# Altium PCB REV_2025.PcbDoc (continued)
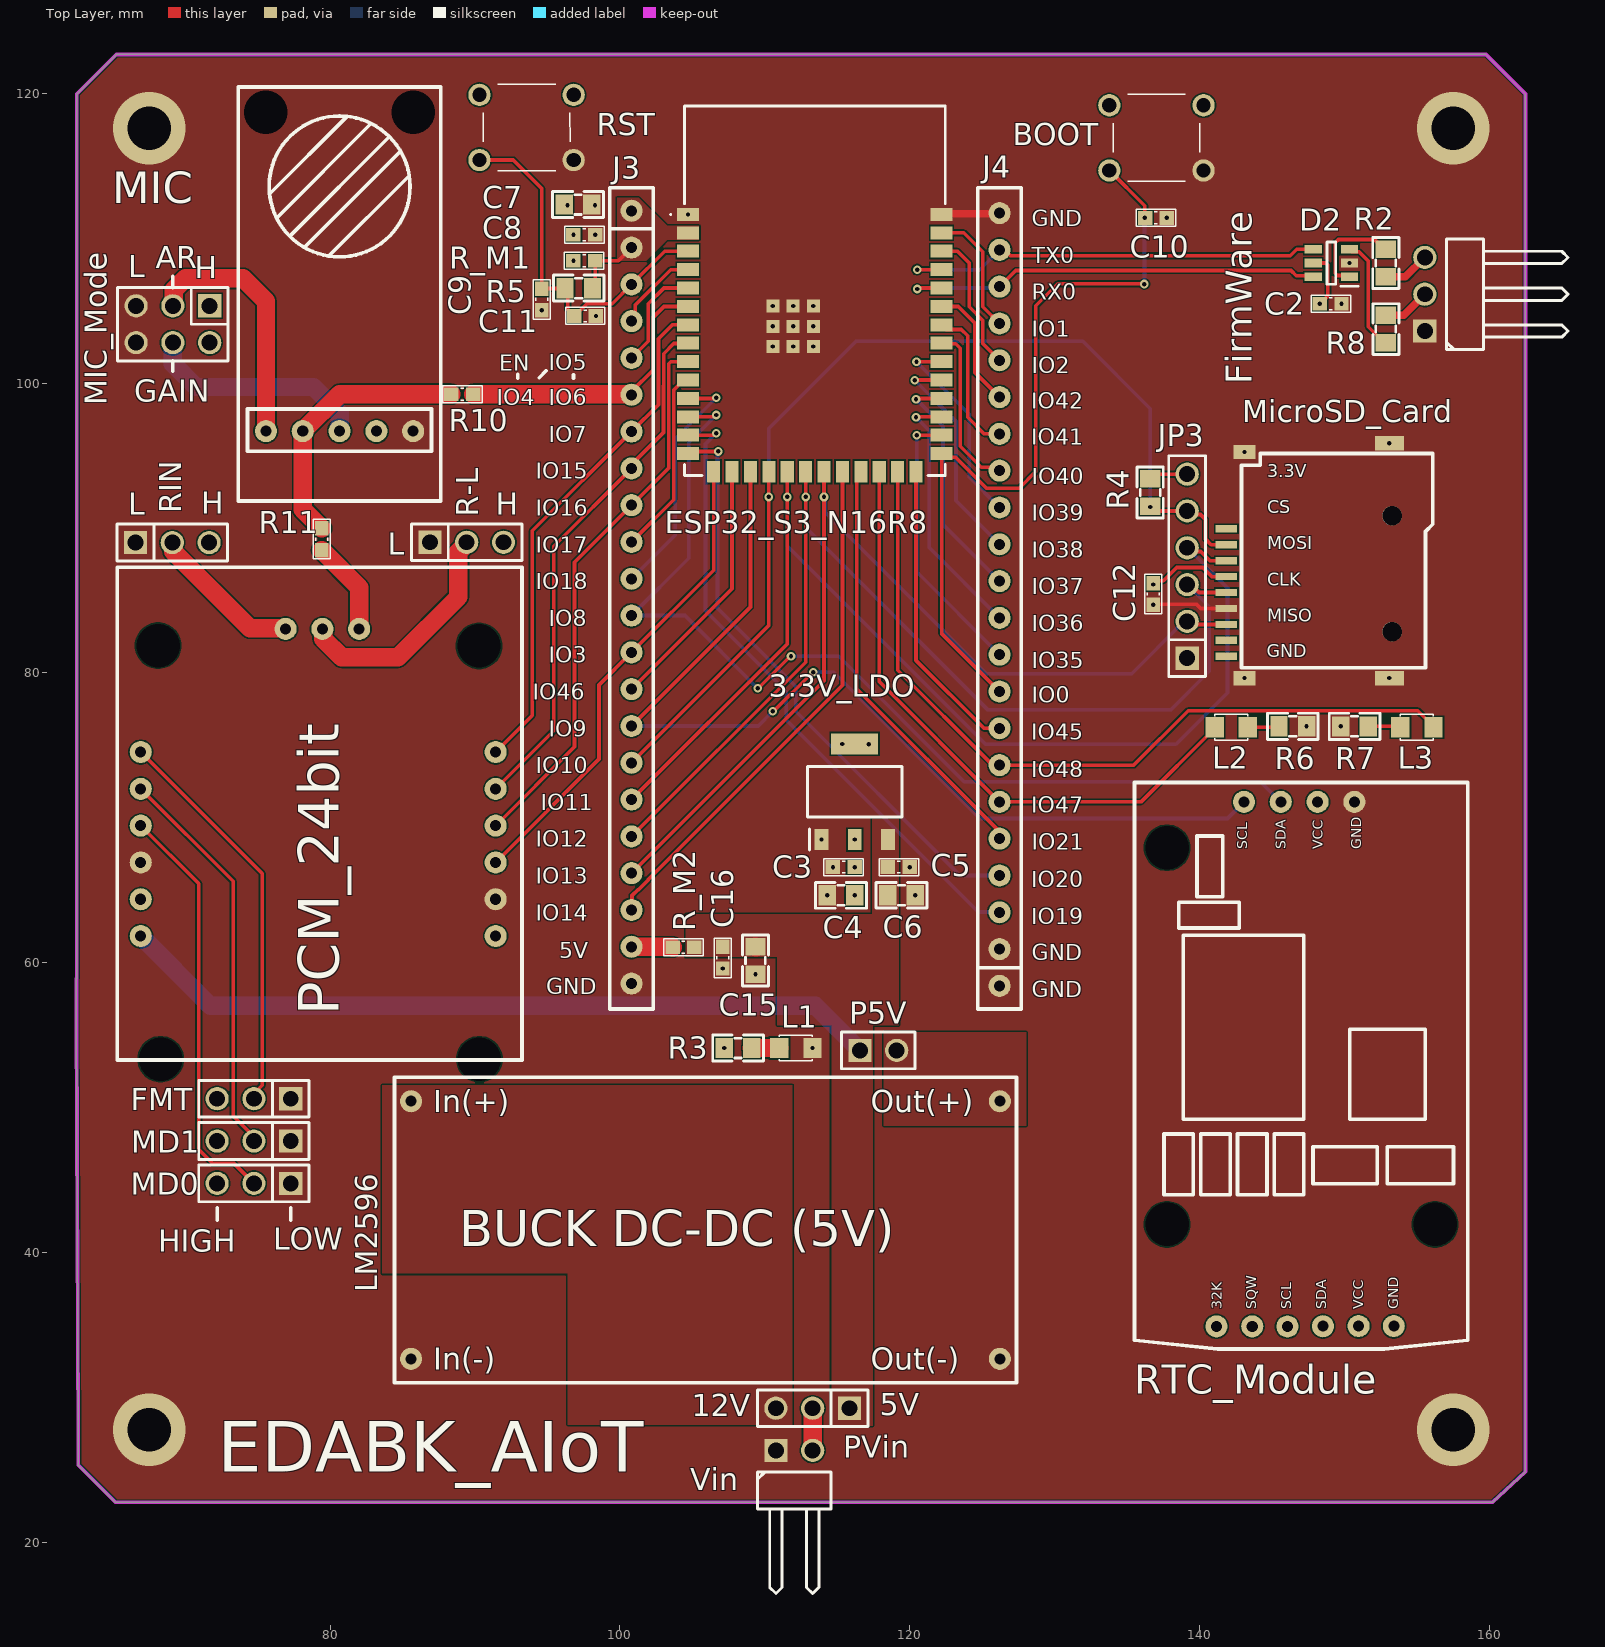
[diagram p0: Top Layer view]
## Components (designator, comment, footprint, x,y, rotation, side; value= is the part's Value field where it differs from the comment)
3.3V_LDO "AMS1117-3.3" SOT229P700X180-4N 116.2,71.8 r90 top
BOOT "1825910-6" 18259106 140.28,114.68 r180 top
C2 "104" "tu 0603" 149.05,105.49 r0 top
C3 "104" "tu 0603" 115.45,66.6 r180 top
C4 "101" "tu 0805" 115.25,64.65 r180 top
C5 "104" "tu 0603" 119.24,66.6 r0 top
C6 "101" "tu 0805" 119.436,64.657 r0 top
C7 "101" "tu 0805" 97.106,112.333 r0 top
C8 "10uF, 25V" "tu 0603" 97.54,110.25 r0 top
C9 "0.1uF, 50V" "tu 0603" 94.6,105.78 r270 top
C10 "0.1uF, 50V" "tu 0603" 136.99,111.41 r0 top
C11 "1uF, 16V" "tu 0603" 97.59,104.64 r0 top
C12 "10uF, 25V" "tu 0603" 136.8,85.45 r270 top
C15 "101" "tu 0805" 109.353,60.154 r270 top
C16 "10uF, 25V" "tu 0603" 107.1,60.35 r270 top
D2 "USBLC6-2SC6Y" SOT95P280X145-6N 149.1,108.29 r180 top
ESP32_S3_N16R8 "ESP32-S3-WROOM-1-N16" ESP32S3WROOM1N16 113.449,106.388 r0 top locked
FirmWare "FirmWare" "JP 1x3 DC" 158.09,109.95 r90 top
FMT "J7" "JP 1x3 DT" 77.276,50.611 r180 top
J3 "J3" PCBComponent_1#1 100.8,111.9 r0 top locked
J4 "J4" PCBComponent_1#1 126.2,58.4 r180 top locked
JP3 "JP 1x6 2.54" "JP 1x6 DT" 139.15,81.02 r90 top
L1 "LED 0805" LED-0805-Red 111,54.111 r0 top
L2 "LED 0805" LED-0805-Red 141.05,76.252 r0 top
L3 "LED 0805" LED-0805-Red 156.15,76.252 r180 top
LM2596 "Component_1" PCBComponent_1#2 105.9,41.55 r0 top
MD0 "J8" "JP 1x3 DT" 77.276,44.769 r180 top
MD1 "J9" "JP 1x3 DT" 77.276,47.69 r180 top
MIC "Component_1" PCBComponent_1#3 78.74,110.787 r0 top
MIC_Mode "J6" "JP 2x3 DT" 69.14,104.07 r180 top
MicroSD_Card "Micro SD card" MicroSD 141.6,87.75 r90 top
P5V "P5V" "JP 1x2 DT" 116.56,53.95 r0 top
PCM_24bit "Component_1" PCBComponent_1#4 66.92,74.54 r0 top
PVin "PVin" "JP 1x3 DT" 115.84,29.25 r180 top
R2 "1k" "tro smd 0805" 152.922,108.294 r270 top
R3 "1k" "tro smd 0805" 108.15,54.05 r180 top
R4 "10K" "tro smd 0805" 136.661,92.454 r270 top
R5 "10K" "tro smd 0805" 97.16,106.5 r180 top
R6 "1k" "tro smd 0805" 146.435,76.377 r0 top
R7 "1k" "tro smd 0805" 150.706,76.25 r180 top
R8 "1k" "tro smd 0805" 152.8,103.736 r90 top
R10 "0R" "tro smd 0603" 89.11,99.24 r0 top
R11 "0R" "tro smd 0603" 79.41,89.23 r90 top
R-L "J10" "JP 1x3 DT" 86.88,89.02 r0 top
R_M1 "0R" "tro smd 0603" 97.54,108.45 r180 top
R_M2 "0R" "tro smd 0603" 104.38,61.07 r0 top
RIN "J10" "JP 1x3 DT" 66.56,89 r0 top
RST "1825910-6" 18259106 96.8,115.4 r180 top
RTC_Module "Component_1" PCBComponent_1#5 145.61,43.16 r90 top
Vin "Vin" "JP 1x2 DC" 110.76,26.34 r0 top

## Footprints (in the part's own frame and the unit in brackets; to place one, negate y for a bottom-side part, rotate by r counter-clockwise, add the part's x,y. Pads: shape width x height; smd on the part's side, far side on the other; paste and mask are expansions set on the pad)
18259106 [mm]
  round 1.54 hole 0.99: 1(0,0) 2(6.5,0) 3(0,-4.5) 4(6.5,-4.5)
  silkscreen extent 0.25,-5.25 6.25,0.75, body extent -0.65,-5.25 7.15,0.74, height 5.64
ESP32S3WROOM1N16 [mm]
  rect 1.5x0.9 smd: 1(-8.75,5.26) 2(-8.75,3.99) 3(-8.75,2.72) 4(-8.75,1.45) 5(-8.75,0.18) 6(-8.75,-1.09) 7(-8.75,-2.36) 8(-8.75,-3.63) 9(-8.75,-4.9) 10(-8.75,-6.17) 11(-8.75,-7.44) 12(-8.75,-8.71) 13(-8.75,-9.98) 14(-8.75,-11.25) 27(8.75,-11.25) 28(8.75,-9.98) 29(8.75,-8.71) 30(8.75,-7.44) 31(8.75,-6.17) 32(8.75,-4.9) 33(8.75,-3.63) 34(8.75,-2.36) 35(8.75,-1.09) 36(8.75,0.18) 37(8.75,1.45) 38(8.75,2.72) 39(8.75,3.99) 40(8.75,5.26)
  rect 0.9x1.5 smd: 15(-6.985,-12.5) 16(-5.715,-12.5) 17(-4.445,-12.5) 18(-3.175,-12.5) 19(-1.905,-12.5) 20(-0.635,-12.5) 21(0.635,-12.5) 22(1.905,-12.5) 23(3.175,-12.5) 24(4.445,-12.5) 25(5.715,-12.5) 26(6.985,-12.5)
  rect 0.9x0.9 smd: 41(-1.5,-2.46) 42(-1.5,-1.06) 43(-2.9,-1.06) 44(-2.9,-2.46) 45(-2.9,-3.86) 46(-1.5,-3.86) 47(-0.1,-3.86) 48(-0.1,-2.46) 49(-0.1,-1.06)
  silkscreen extent -10,-12.75 9,12.75, body extent -9,-12.76 9,12.74, height 3.25
"JP 1x2 DC" [mm] "JP 1x2 DC"
  rect 1.6x1.6 hole 1.1: 1(0,0)
  round 1.6 hole 1.1: 2(2.54,0)
  silkscreen extent -1.27,-9.88 3.81,-1.5, body extent -1.27,-10.06 3.81,0.3, height 2.55
"JP 1x2 DT" [mm] "2 pins, 1 row, straight, gold plating"
  rect 1.6x1.6 hole 1.1: 1(0,0)
  round 1.6 hole 1.1: 2(2.54,0)
  silkscreen extent -1.27,-1.27 3.81,1.27, body extent -1.27,-1.27 3.81,1.27, height 8.54
"JP 1x3 DC" [mm]
  rect 1.6x1.6 hole 1.1: 1(-6.35,2.54)
  round 1.6 hole 1.1: 2(-3.81,2.54) 3(-1.27,2.54)
  silkscreen extent -7.62,-7.34 0,1.04, body extent -7.62,-7.52 0,2.84, height 2.55
"JP 1x3 DT" [mm]
  rect 1.6x1.6 hole 1.1: 1(0,0)
  round 1.6 hole 1.1: 2(2.54,0) 3(5.08,0)
  silkscreen extent -1.27,-1.27 6.35,1.27, body extent -1.27,-1.27 6.35,1.27, height 8.54
"JP 1x6 DT" [mm] "6 pins, 1 row, straight, gold plating"
  rect 1.6x1.6 hole 1.1: 1(0,0)
  round 1.6 hole 1.1: 2(2.54,0) 3(5.08,0) 4(7.62,0) 5(10.16,0) 6(12.7,0)
  silkscreen extent -1.27,-1.27 13.97,1.27, body extent -1.27,-1.27 13.97,1.27, height 8.54
"JP 2x3 DT" [mm]
  rect 1.6x1.6 hole 1.1: 1(-2.54,-1.27)
  round 1.6 hole 1.1: 2(0,-1.27) 3(2.54,-1.27) 4(2.54,1.27) 5(0,1.27) 6(-2.54,1.27)
  silkscreen extent -3.81,-2.54 3.81,2.54, body extent -3.81,-2.54 3.81,2.54, height 8.55
LED-0805-Red [mil]
  rect 50x55 smd: 1(0,0) 2(90,0)
  silkscreen extent 0,-35 90,35, body extent 5,-25 85,25, height 43
MicroSD [mm]
  rect 1x2 smd: 0(-8.1,-11.5) 0(8.1,-11.5)
  rect 1x1.5 smd: 0(-8.1,-1.5) 0(7.5,-1.5)
  round 1.35 hole 1.35: 0(-4.9,-11.7) 0(3.1,-11.7)
  rect 0.5x1.5 smd: 1(1.1,-0.254) 2(0,-0.254) 3(-6.6,-0.254) 4(-1.1,-0.254) 5(-2.2,-0.254) 6(-3.3,-0.254) 7(-4.4,-0.254) 8(-5.5,-0.254) 9(2.2,-0.254)
  silkscreen extent -7.4,-14.5 7.4,-1.3, body extent -6.95,-19.6 7.15,0.5, height 1.91
PCBComponent_1#1 [mil]
  round 60 hole 30 paste-99999: 1(0,0) 2(0,-100) 3(0,-200) 4(0,-300) 5(0,-400) 6(0,-500) 7(0,-600) 8(0,-700) 9(0,-800) 10(0,-900) 11(0,-1000) 12(0,-1100) 13(0,-1200) 14(0,-1300) 15(0,-1400) 16(0,-1500) 17(0,-1600) 18(0,-1700) 19(0,-1800) 20(0,-1900) 21(0,-2000) 22(0,-2100)
  silkscreen extent -59,-2169 59,63
PCBComponent_1#2 [mil]
  round 60 hole 30 paste-99999: Vin+(-800,350) Vin-(-800,-350) Vout+(800,350) Vout-(800,-350)
  silkscreen extent -845,-415 845,415, body extent -846,-413 846,413, height 669
PCBComponent_1#3 [mil]
  round 60 hole 30 paste-99999: AR(-125,-555) GAIN(75,-555) GND(275,-555) OUT(-25,-555) VDD(175,-555)
  silkscreen extent -200,-745 350,380, body extent -199,-745 349,380, height 305
PCBComponent_1#4 [mil]
  round 60 hole 30 paste-99999: 3.3V(0,-400) 3.3V(964.57,-500) 5V(0,-500) -(493.7,334.65) BCK(964.57,0) FMT(0,0) GND(0,-300) GND(964.57,-400) LIN(593.7,334.65) LRC(964.57,-200) MD0(0,-200) MD1(0,-100) OUT(964.57,-100) RIN(393.7,334.65) SCK(964.57,-300)
  silkscreen extent -64,-837 1036,502
PCBComponent_1#5 [mil]
  round 60 hole 30 paste-99999: 32K(-325.2,174.8) GND_1(-324.41,-307.09) GND_2(1100,-200) SCL_1(-325.59,-18.11) SCL_2(1100,100) SDA_1(-324.8,-114.57) SDA_2(1100,0) SQW(-325.2,77.56) VCC_1(-324.41,-211.42) VCC_2(1100,-100)
  body extent -655,-484 1159,376, height 192
SOT95P280X145-6N [mm]
  rect 1.2x0.6 smd: 1(-1.25,0.95) 2(-1.25,0) 3(-1.25,-0.95) 4(1.25,-0.95) 5(1.25,0) 6(1.25,0.95)
  silkscreen extent -1.85,-1.46 0.3,1.6, body extent -1.4,-1.46 1.4,1.46, height 1.45
SOT229P700X180-4N [mm]
  rect 1.45x0.95 smd: 1(-3.3,2.29) 2(-3.3,0) 3(-3.3,-2.29)
  rect 1.45x3.25 smd: 4(3.3,0)
  silkscreen extent -4.03,-3.25 1.75,3.25, body extent -3.35,-3.15 3.35,3.15, height 1.8
"tro smd 0603" [mm] "Chip Capacitor, 2-Leads, Body 1,60x0,80mm, IPC Medium Density"
  rect 1x0.95 smd mask+0.076: 1(-0.75,0) 2(0.75,0)
  silkscreen extent -1.35,-0.58 1.37,0.58, body extent -0.82,-0.42 0.82,0.43, height 0.44
"tro smd 0805" [mm]
  rect 1.2x1.4 smd: 1(-0.946,-0.061) 2(0.954,-0.061)
  silkscreen extent -1.75,-0.97 1.75,0.84, body extent -1.56,-0.76 1.44,0.64, height 0.53
"tu 0603" [mm] "Chip Capacitor, 2-Leads, Body 1,60x0,80mm, IPC Medium Density"
  rect 1x0.95 smd mask+0.076: 1(-0.75,0) 2(0.75,0)
  silkscreen extent -1.35,-0.58 1.37,0.58, body extent -0.8,-0.4 0.8,0.4, height 0.9
"tu 0805" [mm] "Compoment SMD 80x50mil"
  rect 1.2x1.4 smd: 1(-0.946,-0.003) 2(0.954,-0.003)
  silkscreen extent -1.75,-0.89 1.75,0.89, body extent -1.01,-0.64 1.01,0.63, height 0.61

## Part data
3.3V_LDO: "Integrated Circuit", Manufacturer_Name=Advanced, Datasheet Link=https://datasheet.datasheetarchive.com/originals/distributors/Datasheets-28/DSA-550594.pdf, Height=1.8mm, Manufacturer_Part_Number=AMS1117-3.3
BOOT RST: "Switch", Manufacturer_Name="TE Connectivity", Mouser Part Number=650-1825910-6, Arrow Part Number=1825910-6, Arrow Price/Stock=https://www.arrow.com/en/products/1825910-6/te-connectivity?utm_currency=USD&region=europe, Datasheet Link=https://www.te.com/commerce/DocumentDelivery/DDEController?Action=srchrtrv&DocNm=1308111-1_SWITCHES_CORE_PROGRAM_CATALOG&DocType=Catalog%20Section&DocLang=English&PartCntxt=1825910-6&DocFormat=pdf, Height=5.3mm, Manufacturer_Part_Number=1825910-6, Mouser Price/Stock=https://www.mouser.co.uk/ProductDetail/TE-Connectivity/1825910-6?qs=A6cQTCBcXncisYDS1KbpGA%3D%3D
C2 C3 C5 C8 C11 C12 C16: library part "Tu 0603 104 50V 10%", "Dán", Chung_Loai=Dán, Don_Vi=Con, Ma_Hang=MH004568, So_Chan=2, Ten_Linh_Kien="Tụ 0603 104-100nF 10% 50V"
C4 C6 C7 C15: library part "Tu 0805 101 50V 20%", "Dán", Chung_Loai=Dán, Don_Vi=Con, Ma_Hang=MH002806, So_Chan=2, Ten_Linh_Kien="Tụ 0805 101-0.1nF 50V 20%"
C9 C10: library part "Tu 0603 103 50V 10%", "Dán", Chung_Loai=Dán, Don_Vi=Con, Ma_Hang=MH004567, So_Chan=2, Ten_Linh_Kien="Tụ 0603 103-10nF 10% 50V"
D2: "Diode", Manufacturer_Name=STMicroelectronics, Mouser Part Number=511-USBLC6-2SC6Y, Arrow Part Number=USBLC6-2SC6Y, Arrow Price/Stock=https://www.arrow.com/en/products/usblc6-2sc6y/stmicroelectronics?utm_currency=USD&region=nac, Datasheet Link=https://componentsearchengine.com/Datasheets/1/USBLC6-2SC6Y.pdf, Height=1.45mm, Manufacturer_Part_Number=USBLC6-2SC6Y, Mouser Price/Stock=https://www.mouser.co.uk/ProductDetail/STMicroelectronics/USBLC6-2SC6Y?qs=gNDSiZmRJS%2FOgDexvXkdow%3D%3D
ESP32_S3_N16R8: "Integrated Circuit", Manufacturer_Name="Espressif Systems", Mouser Part Number=356-ESP32S3WROOM1N16, Datasheet Link=https://www.espressif.com/sites/default/files/documentation/esp32-s3-wroom-1_wroom-1u_datasheet_en.pdf, Height=3.25mm, Manufacturer_Part_Number=ESP32-S3-WROOM-1-N16, Mouser Price/Stock=https://www.mouser.co.uk/ProductDetail/Espressif-Systems/ESP32-S3-WROOM-1-N16?qs=Li%252BoUPsLEntjPrtJwwS5Pw%3D%3D
FirmWare: library part "JP 1x3 2.54 Duc Cong", "Cắm", Chung_Loai=Cắm, Don_Vi=Con, Ma_Hang=MH000904, Ten_Linh_Kien="Jump Đơn Đực 2.54MM 1x40P Cong Đứng"
FMT MD0 MD1 PVin R-L RIN: library part "JP 1x3 2.54 Duc Thang", "Cắm", Chung_Loai=Cắm, Don_Vi=Con, Ma_Hang=MH000903, Ten_Linh_Kien="Jump Đơn Đực 2.54MM 1x40P Thẳng 11MM"
J3 J4: library part Component_1
JP3: library part "JP 1x6 2.54 Duc Thang", "Cắm", Chung_Loai=Cắm, Don_Vi=Con, Ma_Hang=MH000903, Ten_Linh_Kien="Jump Đơn Đực 2.54MM 1x40P Thẳng 11MM"
L1 L2 L3: library part "LED 0805 Do", "Dán", Chung_Loai=Dán, Don_Vi=Con, Ma_Hang=MH000897, Ten_Linh_Kien="LED 0805 Màu Đỏ (Red)"
MIC_Mode: library part "JP 2x3 2.54 Duc Thang", "Cắm", Chung_Loai=Cắm, Don_Vi=Con, Ma_Hang=MH002686, Ten_Linh_Kien="Jump Đôi Đực 2.54MM 2x40P Thẳng 11MM"
P5V: library part "JP 1x2 2.54 Duc Thang", "Cắm", Chung_Loai=Cắm, Don_Vi=Con, Ma_Hang=MH000903, Ten_Linh_Kien="Jump Đơn Đực 2.54MM 1x40P Thẳng 11MM"
R2 R3 R4 R5 R6 R7 R8: library part "Tro 0805 1% 1k", "Dán", Chung_Loai=Dán, Don_Vi=Con, Ma_Hang=MH005468, So_Chan=2, Ten_Linh_Kien="Trở 0805 1% 1k"
R10 R11 R_M1 R_M2: library part "Tro 0603 1% 0R", "Dán", Chung_Loai=Dán, Don_Vi=Con, Ma_Hang=MH005792, So_Chan=2, Ten_Linh_Kien="Trở 0603 1% 0R"
Vin: library part "JP 1x2 2.54 Duc Cong", "Cắm", Chung_Loai=Cắm, Don_Vi=Con, Ma_Hang=MH000904, Ten_Linh_Kien="Jump Đơn Đực 2.54MM 1x40P Cong Đứng"

## Free pads (board coordinates)
  round 1.524 hole 3 paste-2539.97: 2(137.762,41.934) 3(156.262,41.934) 4(137.762,67.934) 5(68.12,81.89) 5(68.3,53.34) 5(75.565,118.69) 5(85.725,118.69) 5(90.27,81.87) 5(90.3,53.34)

## Via types
v1: diameter 0.6, hole 0.3, Top Layer to Bottom Layer, 65 vias
v2: diameter 5/5 (per signal layer), hole 3, Top Layer to Bottom Layer, 4 vias

## Nets (pads, with @x,y where several pads share a name; then routed paths per layer and width w, separated by ;. In a path a pad name is that pad's centre, name@x,y a point inside that pad or via, vN(x,y) a via of type N, cw(c..) or ccw(c..) an arc to the next point about the centre after c; other vN are vias at no path point)
AR: MIC.AR MIC_Mode.2 | length 17.4
  Top Layer w1.27: MIC_Mode.2 69.203,105.403 69.203,106.43 70.013,107.24 73.98,107.24 75.565,105.655 MIC.AR
BCLK_2: ESP32_S3_N16R8.7 J3.7 PCM_24bit.BCK | length 35.6
  Top Layer w0.254: PCM_24bit.BCK 93.95,77.07 93.95,89.81 J3.7@100.798,96.658 ; J3.7 102.655,98.515 102.655,100.774 102.66,100.779 102.66,103.06 103.628,104.028 ESP32_S3_N16R8.7
EN: C9.1 C11.1 ESP32_S3_N16R8.3 J3.3 R5.2 RST.2 | length 25.7
  Top Layer w0.254: RST.2 92.64,115.4 94.6,113.44 C9.1 96.352,106.53 96.39,106.568 96.39,105.065 96.815,104.64 C11.1 96.865,104.64 97.715,105.49 99.47,105.49 J3.3 103.088,109.108 ESP32_S3_N16R8.3
ESP_3V3: ESP32_S3_N16R8.2 J3.1 J3.2 R5.1 R_M1.1 | length 4.9
  Top Layer w0.254: R5.1 98.29,106.745 R_M1.1 99.89,108.45 J3.2
FMT: FMT.2 PCM_24bit.FMT | length 27.6
  Top Layer w0.254: PCM_24bit.FMT 75.31,66.15 75.31,51.549 74.736,50.975 FMT.2
GAIN: MIC.GAIN MIC_Mode.5 | length 15.6
  Bottom Layer w1.27: MIC_Mode.5 69.14,101.34 70.742,99.738 78.842,99.738 80.645,97.935 MIC.GAIN
GND: 3.3V_LDO.1 BOOT.1 C2.2 C3.2 C4.2 C5.2 C6.2 C7.2 C8.2 C9.2 C10.2 C11.2 C12.2 C15.2 C16.2 D2.2 ESP32_S3_N16R8.1 ESP32_S3_N16R8.40 ESP32_S3_N16R8.41 ESP32_S3_N16R8.42 ESP32_S3_N16R8.43 ESP32_S3_N16R8.44 ESP32_S3_N16R8.45 ESP32_S3_N16R8.46 ESP32_S3_N16R8.47 ESP32_S3_N16R8.48 ESP32_S3_N16R8.49 FirmWare.1 FMT.1 J3.22 J4.1 J4.2 J4.22 JP3.1 L1.2 LM2596.Vin- LM2596.Vout- MD0.1 MD1.1 MIC.GND MIC_Mode.3 MIC_Mode.4 MicroSD_Card.0 MicroSD_Card.6 pad.5@75.565,118.69 pad.5@85.725,118.69 PCM_24bit.GND R6.2 R7.2 R-L.1 RIN.1 RST.1 RTC_Module.GND_2 Vin.1 | length 9.2
  Top Layer w0.254: v1(136.8,84.7) 136.841,84.741 139.8,84.741 140.091,84.45 MicroSD_Card.6
  Top Layer w0.508: ESP32_S3_N16R8.40 122.245,111.694 126.154,111.694 J4.22
  other v1: 113.286,54.111 109.35,59.2 107.1,59.6 114.296,64.653 120.39,64.653 114.7,66.6 119.99,66.6 113.91,68.5 147.389,76.316 149.752,76.316 143.1,79.65 153.1,79.65 143.1,95.25 153.1,95.85 110.549,102.528 111.949,102.528 113.349,102.528 110.549,103.928 111.949,103.928 113.349,103.928 98.34,104.64 94.6,105.03 110.549,105.328 111.949,105.328 113.349,105.328 149.8,105.49 150.35,108.29 98.29,110.25 137.74,111.41 104.699,111.648 98.28,112.29
  other v2: 67.5,27.75 157.5,27.75 67.5,117.6 157.5,117.6
IO0: BOOT.2 C10.1 ESP32_S3_N16R8.27 J4.9 | length 54.5
  Top Layer w0.254: J4.9 122.199,82.721 ESP32_S3_N16R8.27 122.458,94.879 123.171,94.879 125.3,92.75 127.55,92.75 128.7,93.9 128.7,105.34 130.22,106.86 136.17,106.86 v1(136.19,106.84) ; BOOT.2 136.215,112.245 v1(136.215,111.41)
  Bottom Layer w0.254: v1(136.19,106.84) 136.202,106.852 136.202,111.398 v1(136.215,111.41)
IO1: ESP32_S3_N16R8.39 J4.19 | length 8.8
  Top Layer w0.254: ESP32_S3_N16R8.39 123.722,110.378 125.036,109.063 125.036,105.284 J4.19
IO2: ESP32_S3_N16R8.38 J4.18 | length 9.8
  Top Layer w0.254: ESP32_S3_N16R8.38 123.292,109.108 124.1,108.3 124.1,105.268 125.036,104.332 125.036,102.744 J4.18
IO3: ESP32_S3_N16R8.15 J3.13 PCM_24bit.SCK | length 33.2
  Top Layer w0.254: PCM_24bit.SCK 98.555,74.055 98.555,79.175 J3.13 106.464,87.084 ESP32_S3_N16R8.15
IO4: ESP32_S3_N16R8.4 J3.4 | length 5.9
  Top Layer w0.254: J3.4 101.043,104.523 101.043,105.375 103.506,107.838 ESP32_S3_N16R8.4
IO5: ESP32_S3_N16R8.5 J3.5 | length 7.4
  Top Layer w0.254: J3.5 101.95,102.89 101.95,105.482 103.036,106.568 ESP32_S3_N16R8.5
IO6: ESP32_S3_N16R8.6 J3.6 R10.2 | length 19.6
  Top Layer w0.254: J3.6 100.8,99.42 102.306,100.926 102.306,104.568 103.036,105.298 ESP32_S3_N16R8.6
  Top Layer w1.27: R10.2 100.76,99.24 J3.6
IO8: ESP32_S3_N16R8.12 J3.12 RTC_Module.SDA_2 | length 70.2
  Top Layer w0.254: ESP32_S3_N16R8.12 106.525,97.678 v1(106.65,97.803) ; v1(109.5,78.95) 109.55,78.95 111.75,81.15 v1(111.8,81.15)
  Bottom Layer w0.254: v1(106.65,97.803) 104.75,95.903 104.75,87.91 J3.12 104.49,83.96 v1(109.5,78.95) ; v1(111.8,81.15) 115.1,81.15 123.753,72.497 144.213,72.497 RTC_Module.SDA_2
IO9: ESP32_S3_N16R8.17 J3.15 RTC_Module.SCL_2 | length 69.4
  Top Layer w0.254: J3.15 109.004,84.544 ESP32_S3_N16R8.17 ; v1(110.55,77.35) 110.6,77.35 113.3,80.05 v1(113.35,80.05)
  Bottom Layer w0.254: J3.15 109.54,76.34 v1(110.55,77.35) ; v1(113.35,80.05) 114.75,80.05 124.843,69.957 141.927,69.957 RTC_Module.SCL_2
IO10: ESP32_S3_N16R8.18 J3.16 JP3.5 MicroSD_Card.1 R4.2 | length 73.4
  Top Layer w0.254: J3.16 110.274,83.274 v1(110.274,92.15) ESP32_S3_N16R8.18 ; R4.2 136.92,91.18 JP3.5 139.396,90.934 140.066,90.934 140.41,90.59 140.41,89.24 140.8,88.85 MicroSD_Card.1
  Bottom Layer w0.254: v1(110.274,92.15) 110.274,96.874 116.29,102.89 131.95,102.89 136.6,98.24 v1(136.6,91.45)
IO11: ESP32_S3_N16R8.19 J3.17 JP3.4 MicroSD_Card.2 | length 82.2
  Top Layer w0.254: J3.17 111.544,82.004 v1(111.544,92.15) ESP32_S3_N16R8.19 ; JP3.4 139.408,88.382 140.091,88.382 140.723,87.75 MicroSD_Card.2
  Bottom Layer w0.254: v1(111.544,92.15) 111.544,88.756 125.23,75.07 138.37,75.07 141.93,78.63 141.93,85.86 JP3.4
IO12: ESP32_S3_N16R8.20 J3.18 JP3.3 MicroSD_Card.5 | length 76
  Top Layer w0.254: J3.18 112.814,80.734 v1(112.814,92.15) ESP32_S3_N16R8.20 ; JP3.3 139.422,86.1 139.972,85.55 MicroSD_Card.5
  Bottom Layer w0.254: v1(112.814,92.15) 112.814,90.036 125.4,77.45 138.01,77.45 140.68,80.12 140.68,84.57 JP3.3
IO13: ESP32_S3_N16R8.21 J3.19 JP3.2 MicroSD_Card.7 | length 68.2
  Top Layer w0.254: J3.19 114.084,79.464 v1(114.084,92.15) ESP32_S3_N16R8.21 ; JP3.2 139.36,83.35 MicroSD_Card.7
  Bottom Layer w0.254: v1(114.084,92.15) 114.15,92.084 114.15,91.1 125.3,79.95 135.32,79.95 138.93,83.56 JP3.2
IO14: ESP32_S3_N16R8.22 J3.20 | length 36.3
  Top Layer w0.254: J3.20 100.834,63.674 100.834,64.634 101.237,65.037 101.273,65.037 101.943,65.707 101.943,65.743 115.354,79.154 ESP32_S3_N16R8.22
IO15: ESP32_S3_N16R8.8 J3.8 PCM_24bit.OUT | length 36.8
  Top Layer w0.254: PCM_24bit.OUT 95.43,76.01 95.43,88.75 J3.8@100.798,94.118 ; J3.8 100.8,94.38 103.009,96.589 103.009,99.829 103.014,99.834 103.014,102.036 103.717,102.739 104.68,102.739 ESP32_S3_N16R8.8
IO16: ESP32_S3_N16R8.9 J3.9 PCM_24bit.LRC | length 38.2
  Top Layer w0.254: PCM_24bit.LRC 96.86,74.9 96.86,87.64 J3.9 103.363,94.143 103.363,99.682 103.368,99.688 103.368,101.339 103.517,101.488 ESP32_S3_N16R8.9
IO17: ESP32_S3_N16R8.10 J3.10 | length 13
  Top Layer w0.254: J3.10 103.717,91.957 103.717,99.536 104.399,100.218 ESP32_S3_N16R8.10
IO18: ESP32_S3_N16R8.11 J3.11 | length 16.9
  Top Layer w0.254: ESP32_S3_N16R8.11 106.598,98.948 v1(106.65,99)
  Bottom Layer w0.254: J3.11 103.813,89.513 103.813,96.163 v1(106.65,99)
Io19: ESP32_S3_N16R8.13 J4.3 | length 44.6
  Top Layer w0.254: ESP32_S3_N16R8.13 106.508,96.408 v1(106.65,96.55)
  Bottom Layer w0.254: v1(106.65,96.55) 105.9,95.8 105.9,84.3 111.48,78.72 111.48,76.75 124.736,63.494 126.186,63.494 J4.3
IO20: ESP32_S3_N16R8.14 J4.4 | length 41.1
  Top Layer w0.254: ESP32_S3_N16R8.14 104.851,95.29 v1(106.78,95.29)
  Bottom Layer w0.254: v1(106.78,95.29) 106.731,95.241 106.731,84.469 112.14,79.06 112.14,77.351 123.471,66.02 J4.4
IO21: ESP32_S3_N16R8.23 J4.5 | length 29.5
  Top Layer w0.254: ESP32_S3_N16R8.23 116.35,93.614 116.35,78.9 125.957,69.293 125.957,68.803 J4.5
IO35: ESP32_S3_N16R8.28 J4.10 | length 19.2
  Top Layer w0.254: v1(120.482,96.4) 120.49,96.408 ESP32_S3_N16R8.28
  Bottom Layer w0.254: v1(120.482,96.4) 120.482,86.978 J4.10
IO36: ESP32_S3_N16R8.29 J4.11 | length 18
  Top Layer w0.254: v1(120.434,97.65) 120.462,97.678 ESP32_S3_N16R8.29
  Bottom Layer w0.254: v1(120.434,97.65) 121.35,96.734 121.35,88.65 J4.11
IO37: ESP32_S3_N16R8.30 J4.12 | length 16.7
  Top Layer w0.254: v1(120.434,98.9) 120.482,98.948 ESP32_S3_N16R8.30
  Bottom Layer w0.254: v1(120.434,98.9) 122.3,97.034 122.3,90.24 J4.12
IO38: ESP32_S3_N16R8.31 J4.13 | length 15.6
  Top Layer w0.254: v1(120.35,100.2) 120.368,100.218 ESP32_S3_N16R8.31
  Bottom Layer w0.254: v1(120.35,100.2) 123.187,97.363 123.187,91.893 J4.13
IO39: ESP32_S3_N16R8.32 J4.14 | length 14.2
  Top Layer w0.254: v1(120.462,101.488) ESP32_S3_N16R8.32
  Bottom Layer w0.254: v1(120.462,101.488) 124.1,97.85 124.1,93.52 J4.14
IO40: ESP32_S3_N16R8.33 J4.15 | length 11.6
  Top Layer w0.254: ESP32_S3_N16R8.33 122.228,102.729 123.181,102.729 123.492,102.419 123.492,95.646 124.935,94.203 125.957,94.203 J4.15
IO41: ESP32_S3_N16R8.34 J4.16 | length 10.4
  Top Layer w0.254: ESP32_S3_N16R8.34 122.522,103.705 123.562,103.705 124,103.267 124,97.65 125.15,96.5 J4.16
IO42: ESP32_S3_N16R8.35 J4.17 | length 8.6
  Top Layer w0.254: ESP32_S3_N16R8.35 123.352,105.298 124.508,104.142 124.508,100.732 J4.17
IO45: ESP32_S3_N16R8.26 J4.8 | length 20.7
  Top Layer w0.254: ESP32_S3_N16R8.26 120.434,80.866 125.12,76.18 J4.8
IO46: ESP32_S3_N16R8.16 J3.14 | length 17.9
  Top Layer w0.254: J3.14 107.734,85.814 ESP32_S3_N16R8.16
IO47: ESP32_S3_N16R8.24 J4.6 L2.1 | length 43.2
  Top Layer w0.254: ESP32_S3_N16R8.24 117.894,79.406 J4.6 135.962,71.1 141.05,76.188 L2.1
IO48: ESP32_S3_N16R8.25 J4.7 L3.1 | length 55.5
  Top Layer w0.254: ESP32_S3_N16R8.25 119.164,80.186 125.467,73.883 125.957,73.883 J4.7 135.467,73.64 139.224,77.397 155.068,77.397 156.15,76.315 L3.1
LIN_2: PCM_24bit.LIN R11.1 | length 6.5
  Top Layer w1.27: R11.1 82,85.89 PCM_24bit.LIN
MODE: PCM_24bit.- R-L.2 | length 16.3
  Top Layer w1.27: PCM_24bit.- 79.509,82.991 79.509,82.365 80.794,81.08 84.68,81.08 88.85,85.25 88.85,88.361 89.42,88.931 R-L.2
NetD2_1: D2.1 R2.1 | length 7.1
  Top Layer w0.254: D2.1 150.251,107.439 149.518,107.439 149.369,107.587 149.369,109.698 149.592,109.921 152.08,109.921 152.761,109.24 R2.1
NetD2_3: D2.3 R8.1 | length 7.8
  Top Layer w0.254: D2.3 150.523,109.067 151.012,109.067 151.65,108.429 151.65,103.901 152.761,102.79 R8.1
NetJ3_21: J3.21 R_M2.1 | length 2.8
  Top Layer w1.27: J3.21 103.6,61.1 R_M2.1
NetL1_1: L1.1 R3.1 | length 1.9
  Top Layer w1.27: R3.1 L1.1
NetL2_2: L2.2 R6.1 | length 2.2
  Top Layer w0.254: L2.2 145.425,76.252 R6.1
NetL3_2: L3.2 R7.1 | length 2.2
  Top Layer w0.254: R7.1 153.805,76.311 L3.2
NetLM2596_Vout+: LM2596.Vout+ P5V.2
NetMIC_OUT: MIC.OUT R10.1 R11.2 | length 18.6
  Top Layer w1.27: R11.2 78.105,91.285 MIC.OUT 80.655,99.24 R10.1
PCM_MD0: MD0.2 PCM_24bit.MD0 | length 28.8
  Top Layer w0.254: PCM_24bit.MD0 70.92,65.46 70.92,47.11 71.884,46.146 73.359,46.146 MD0.2
PCM_MD1: MD1.2 PCM_24bit.MD1 | length 27.5
  Top Layer w0.254: PCM_24bit.MD1@66.922,71.998 73.3,65.62 73.3,49.416 74.736,47.98 MD1.2
RIN_2: PCM_24bit.RIN RIN.2 | length 10.6
  Top Layer w1.27: RIN.2 69.163,88.937 69.163,88.387 74.461,83.089 76.871,83.089 PCM_24bit.RIN
RXD0: FirmWare.3 R2.2 | length 3.2
  Top Layer w0.508: R2.2 154.21,107.34 FirmWare.3
RXD0_O: D2.6 ESP32_S3_N16R8.36 J4.20 | length 29.8
  Top Layer w0.254: v1(120.512,106.5) 120.58,106.568 ESP32_S3_N16R8.36 ; J4.20 127.32,107.78 146.31,107.78 146.676,107.414 147.776,107.414 D2.6
  Bottom Layer w0.254: v1(120.512,106.5) 120.578,106.566 126.106,106.566 J4.20
TXD0: FirmWare.2 R8.2 | length 3.3
  Top Layer w0.508: R8.2 154.1,104.69 FirmWare.2
TXD0_O: D2.4 ESP32_S3_N16R8.37 J4.21 | length 29.9
  Top Layer w0.254: v1(120.512,107.838) ESP32_S3_N16R8.37 ; J4.21 126.544,109.2 126.954,108.79 146.26,108.79 146.71,109.24 D2.4
  Bottom Layer w0.254: v1(120.512,107.838) 124.838,107.838 J4.21
VCC_3V3: 3.3V_LDO.2 3.3V_LDO.4 C2.1 C3.1 C4.1 C7.1 C8.1 C12.1 D2.5 FMT.3 JP3.6 MD0.3 MD1.3 MIC.VDD MIC_Mode.1 MIC_Mode.6 MicroSD_Card.4 PCM_24bit.3.3V R3.2 R4.1 R-L.3 R_M1.2 RIN.3 RTC_Module.VCC_2 | length 12.4
  Top Layer w0.254: v1(96.79,108.45) R_M1.2@96.815,108.45 ; R4.1 136.92,93.72 JP3.6 ; C12.1 136.957,86.357 137.507,86.357 138.431,87.281 140.219,87.281 140.85,86.65 MicroSD_Card.4 ; D2.5 148.712,108.29 148.861,108.141 148.861,106.026 148.325,105.49 v1(148.3,105.49)
  other v1: 107.196,54.111 116.196,64.653 116.2,66.6 116.2,68.5 117.16,75.08 115.33,75.1 136.8,86.1 96.79,110.25 96.38,112.29
VCC_5V: 3.3V_LDO.3 C5.1 C6.1 C15.1 C16.1 P5V.1 PCM_24bit.5V PVin.1 R_M2.2 | length 53
  Top Layer w1.27: C15.1 C15.1@109.385,61.065
  Bottom Layer w1.27: PCM_24bit.5V 71.74,57.02 113.49,57.02 P5V.1
VCC_12V: LM2596.Vin+ PVin.3
VIN: PVin.2 Vin.2 | length 2.9
  Top Layer w1.27: Vin.2 PVin.2
pads on no net: BOOT.3 BOOT.4 MicroSD_Card.3 MicroSD_Card.8 MicroSD_Card.9 RST.3 RST.4 RTC_Module.32K RTC_Module.GND_1 RTC_Module.SCL_1 RTC_Module.SDA_1 RTC_Module.SQW RTC_Module.VCC_1

## Polygon pours and split planes (outlines as drawn)
GND on Top Layer "GND_L01_P006" (solid, pour order 6): 62.611,25.329 65.19,22.75 160.21,22.75 162.5,24.87 162.5,119.96 159.77,122.69 65.235,122.69 62.501,119.956
VCC_5V on Top Layer "VCC_5V_L01_P001" (solid, remove dead copper, pour order 1): 114.6,28.05 117.45,28.05 117.45,53.05 117.45,55.7 119.25,55.7 119.25,69.95 117.4,69.95 117.4,63.35 104.55,63.35 104.55,60.4 110.85,60.4 110.85,55.7 114.6,55.7
VCC_12V on Top Layer "VCC_12V_L01_P003" (solid, pour order 3): 111.9,51.53 83.6,51.53 83.6,38.55 95.9,38.55 96.15,38.55 96.4,38.55 96.4,28.1 111.9,28.1
NetLM2596_Vout+ on Top Layer "NETLM2596_VOUT+_L01_P002" (solid, pour order 2): 118.2,55.2 118.2,48.75 128.05,48.75 128.05,55.2
ESP_3V3 on Top Layer "ESP_3V3_L01_P000" (solid, remove dead copper, pour order 0): 105.45,110.85 105.45,109.9 103.267,109.9 101.817,108.45 99.8,108.45 99.8,112.8 101.3,112.8 103.25,110.85
GND on Bottom Layer "GND_L04_P007" (solid, pour order 7): 65.19,22.75 160.21,22.75 162.5,24.868 162.5,24.87 162.5,119.96 159.775,122.685 159.775,122.69 65.235,122.69 62.501,119.956 62.611,25.329 62.615,25.325
VCC_3V3 on Layer 2 (split plane): 161.99,119.749 161.99,25.092 160.01,23.26 65.401,23.26 63.121,25.54 63.121,26.797 63.121,26.798 63.121,26.799 62.994,56.389 62.994,58.808 63.001,58.828 63.01,58.928 63.01,119.744 65.446,122.18 159.559,122.18
GND on Layer 1 (split plane): 161.99,119.749 161.99,25.092 160.01,23.26 65.401,23.26 63.121,25.54 63.121,26.797 63.121,26.798 63.121,26.799 62.994,56.389 62.994,58.808 63.001,58.828 63.01,58.928 63.01,119.744 65.446,122.18 159.559,122.18

## Keep-outs
Keep-Out Layer:
  lines w0.254: 62.484,58.928 62.484,56.388 62.611,26.797 62.611,25.329 65.19,22.75 160.21,22.75 162.5,24.868 162.5,119.96 159.77,122.69 65.235,122.69 62.5,119.955 62.5,58.928

## Silkscreen, mask and mechanical layers (free items; w line width, h text height)
Top Overlay:
  lines w0.254: 69.14,100.82 69.14,101.53 ; 69.14,106.61 69.14,107.37 ; 72.2,42.215 72.2,43.08 ; 77.276,42.215 77.276,43.08 ; 92.94,100.34 92.94,100.6 ; 94.42,100.38 94.89,100.85 ; 96.79,100.33 96.79,100.59 ; 135.512,33.934 141.262,33.334 152.762,33.334 158.512,33.934 158.512,72.434 135.512,72.434 135.512,33.934 ; 137.544,43.986 137.544,48.177 139.576,48.177 139.576,43.986 137.544,43.986 ; 138.56,62.401 138.56,64.179 142.751,64.179 142.751,62.401 138.56,62.401 ; 138.877,49.193 147.196,49.193 147.196,61.893 138.877,61.893 138.877,49.193 ; 139.83,64.56 141.608,64.56 141.608,68.751 139.83,68.751 139.83,64.56 ; 140.084,43.986 142.116,43.986 142.116,48.177 140.084,48.177 140.084,43.986 ; 142.624,43.986 142.624,48.177 144.656,48.177 144.656,43.986 142.624,43.986 ; 145.164,43.986 145.164,48.177 147.196,48.177 147.196,43.986 145.164,43.986 ; 147.831,44.748 152.276,44.748 152.276,47.288 147.831,47.288 147.831,44.748 ; 150.371,49.193 150.371,55.416 155.578,55.416 155.578,49.193 150.371,49.193 ; 152.96,44.748 152.96,47.288 157.532,47.288 157.532,44.748 152.96,44.748
  text "GND" at 128.435,110.833 h1.1
  text "H" at 72.211,108.756 h1.52 r180
  text "TX0" at 128.435,108.293 h1.1
  text "AR" at 67.944,107.924 h1.52
  text "L" at 66.069,107.324 h1.52
  text "RX0" at 128.435,105.753 h1.1
  text "IO1" at 128.435,103.213 h1.1
  text "IO5" at 95.087,100.88 h1.1
  text "EN" at 91.67,100.85 h1.1
  text "IO2" at 128.435,100.673 h1.1
  text "GAIN" at 66.484,98.704 h1.52
  text "IO4" at 91.5,98.48 h1.1
  text "IO6" at 95.087,98.467 h1.1
  text "IO42" at 128.4,98.25 h1.1
  text "IO7" at 95.087,95.927 h1.1
  text "IO41" at 128.4,95.75 h1.1
  text "IO15" at 94.171,93.387 h1.1
  text "3.3V" at 144.665,93.205 h1.52
  text "IO40" at 128.435,93.04 h1.1
  text "H" at 71.109,90.979 h1.52
  text "H" at 91.419,90.934 h1.52
  text "L" at 66.044,90.909 h1.52
  text "IO16" at 94.171,90.847 h1.1
  text "CS" at 144.665,90.71 h1.52
  text "IO39" at 128.435,90.5 h1.1
  text "IO17" at 94.171,88.307 h1.1
  text "MOSI" at 144.665,88.215 h1.52
  text "L" at 83.954,88.164 h1.52
  text "IO38" at 128.435,87.96 h1.1
  text "IO18" at 94.171,85.767 h1.1
  text "CLK" at 144.665,85.72 h1.52
  text "IO37" at 128.435,85.42 h1.1
  text "IO8" at 95.087,83.227 h1.1
  text "MISO" at 144.665,83.225 h1.52
  text "IO36" at 128.435,82.88 h1.1
  text "GND" at 144.655,80.77 h1.52
  text "IO3" at 95.087,80.687 h1.1
  text "IO35" at 128.435,80.34 h1.1
  text "IO46" at 93.988,78.147 h1.1
  text "IO0" at 128.435,77.94 h1.1
  text "IO9" at 95.087,75.607 h1.1
  text "IO45" at 128.4,75.4 h1.1
  text "IO10" at 94.171,73.067 h1.1
  text "IO48" at 128.4,72.8 h1.1
  text "IO11" at 94.537,70.527 h1.1
  text "IO47" at 128.4,70.35 h1.1
  text "IO12" at 94.171,67.987 h1.1
  text "SCL" at 143.296,67.825 h0.7 r90
  text "SDA" at 145.963,67.825 h0.7 r90
  text "VCC" at 148.503,67.825 h0.7 r90
  text "GND" at 151.17,67.825 h0.7 r90
  text "IO21" at 128.435,67.78 h1.1
  text "IO13" at 94.171,65.447 h1.1
  text "IO20" at 128.4,65.2 h1.1
  text "IO14" at 94.171,62.907 h1.1
  text "IO19" at 128.4,62.65 h1.1
  text "5V" at 95.81,60.3 h1.1
  text "GND" at 128.435,60.16 h1.1
  text "GND" at 94.904,57.827 h1.1
  text "GND" at 128.435,57.62 h1.1
  text "LOW" at 76.059,40.199 h1.52
  text "HIGH" at 68.119,40.064 h1.52
  text "32K" at 141.518,36.075 h0.7 r90
  text "SQW" at 143.931,36.075 h0.7 r90
  text "SCL" at 146.344,36.075 h0.7 r90
  text "SDA" at 148.757,36.075 h0.7 r90
  text "VCC" at 151.297,36.075 h0.7 r90
  text "GND" at 153.71,36.075 h0.7 r90
  text "5V" at 117.914,28.764 h1.52
  text "12V" at 104.964,28.684 h1.52
  text "EDABK_AIoT" at 72.25,23.676 h6
Bottom Overlay:
  text "VEDC_2025" at 133.78,40.03 h6
  text "IoT Audio Node" at 128.085,34.3 h3

## Dimensions
70.097,117.6 to 64.89,117.6 on Mechanical 1
162.5,119.96 to 62.5,119.955 on Mechanical 1
63.72,122.7 to 62.628,22.75 on Mechanical 1

## Text inside footprints (layer, text, board x,y; h text height)
LM2596: Top Overlay "BUCK DC-DC (5V)" at 88.92,40.445 h2.5; Top Overlay "In(+)" at 87.096,49.67 h1.5; Top Overlay "Out(+)" at 117.322,49.67 h1.5; Top Overlay "In(-)" at 87.096,31.89 h1.5; Top Overlay "Out(-)" at 117.322,31.89 h1.5